# Altium PCB Ixora.PcbDoc (part 10 of 13)
Units mm, origin at the board's own origin, x right, y up, seen from the top; angles counter-clockwise.
Board outline 125 x 90 mm, 6 copper layers (Top Layer, GND, Mid-Layer 1, Mid-Layer 2, POWER, Bottom Layer), stack 1.561 mm thick; 454 components, 512 nets, 2071 pads, 863 vias.
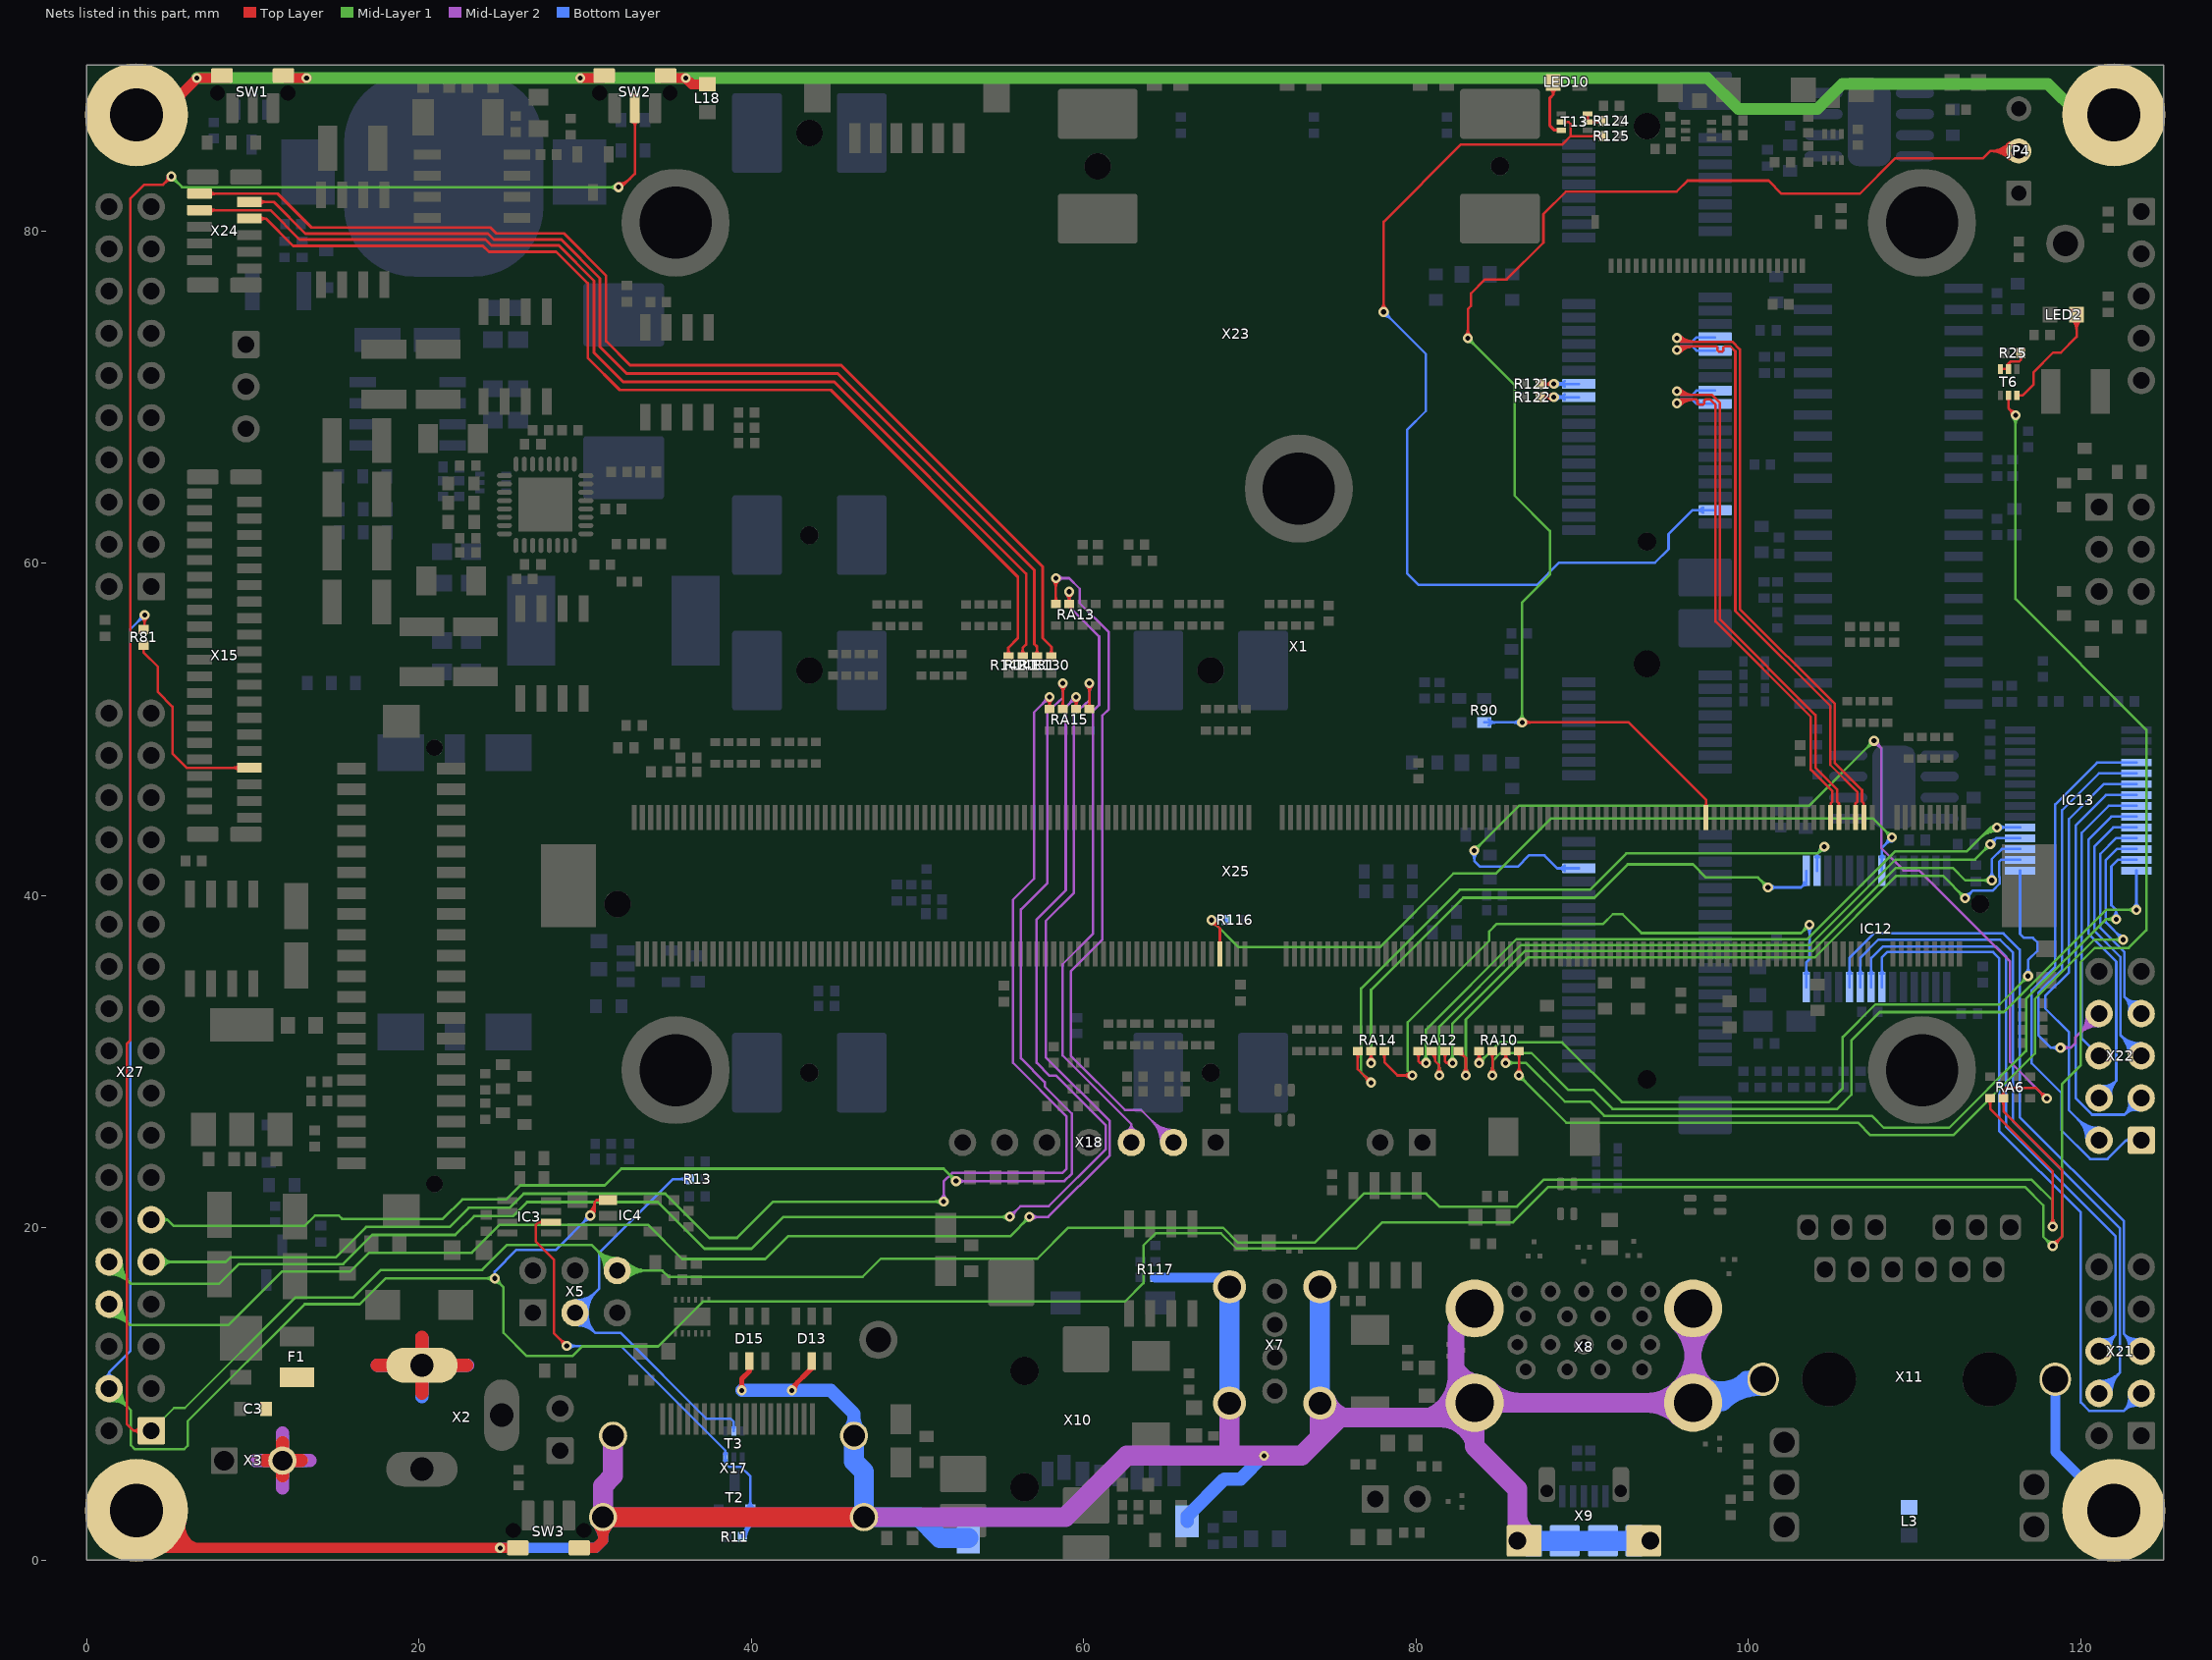
[diagram p14: the nets of this part, all layers, seen from the top]

## Via types
v1: diameter 0.6, hole 0.3, Top Layer to Bottom Layer, tented both sides, 852 vias
v2: diameter 0.6, hole 0.3, Top Layer to Bottom Layer, 11 vias

## Nets (pads, with @x,y where several pads share a name; then routed paths per layer and width w, separated by ;. In a path a pad name is that pad's centre, name@x,y a point inside that pad or via, vN(x,y) a via of type N, cw(c..) or ccw(c..) an arc to the next point about the centre after c; other vN are vias at no path point) (continued)
PWR_CTRL: R13.2 T3.2 X5.3 | length 38.5
  Bottom Layer w0.15: X5.3@29.4,15.35 ccw(c29.4,16.436) 30.168,15.668 ccw(c30.936,14.9) X5.3@29.85,14.9 ; X5.3@29.4,15.5 ccw(c29.4,16.949) 30.424,15.924 ccw(c31.449,14.9) X5.3@30,14.9 ; X5.3@29.4,15.65 ccw(c29.4,17.461) 30.68,16.18 ccw(c31.961,14.9) X5.3@30.15,14.9 ; X5.3@29.42,14.45 cw(c29.461,13.515) 30.123,14.177 cw(c30.785,14.839) X5.3@29.85,14.88 ; X5.3@29.426,14.301 cw(c29.481,13.053) 30.364,13.936 cw(c31.247,14.819) X5.3@29.999,14.874 ; X5.3@29.433,14.151 cw(c29.501,12.591) 30.605,13.695 cw(c31.709,14.799) X5.3@30.149,14.867 ; R13.2@36.111,22.789 ccw(c35.727,22.405) 35.727,22.948 ccw(c35.727,23.492) R13.2@36.111,23.108 ; R13.2@36.27,22.948 35.298,22.948 30.861,18.511 30.861,16.361 X5.3@29.4,14.9 30.605,13.695 32.127,13.695 37.287,8.534 38.76,8.534 38.95,8.345 T3.2@38.95,7.793 ; T3.2@38.897,7.981 ccw(c38.769,8.109) 38.95,8.109 ccw(c39.131,8.109) T3.2@39.003,7.981
PWR_EN#: IC3.6 R11.1 T2.1 T3.6 | length 34.9
  Top Layer w0.15: IC3.6@27.457,20.257 ccw(c27.243,20.043) 27.243,20.345 ccw(c27.243,20.647) IC3.6@27.457,20.433 ; IC3.6@27.955,20.345 27.203,20.345 27.051,20.193 27.051,19.178 28.143,18.086 28.143,13.657 v1(28.9,12.9) ; v1@28.675,12.9 ccw(c28.132,12.9) 28.516,13.284 ccw(c28.9,13.668) v1@28.9,13.125
  Bottom Layer w0.15: v1(28.9,12.9) 32.15,12.9 38.45,6.6 T3.6@38.45,6.213 38.45,5.853 38.675,5.628 39.372,5.628 39.95,5.05 T2.1@39.95,2.703 T2.1@39.95,2.078 ; v1@29.059,12.741 cw(c29.443,12.357) 29.443,12.9 cw(c29.443,13.443) v1@29.059,13.059 ; T3.6@38.397,6.025 cw(c38.269,5.896) 38.45,5.896 cw(c38.631,5.896) T3.6@38.503,6.025 ; T3.6@38.397,6.401 ccw(c38.269,6.529) 38.45,6.529 ccw(c38.631,6.529) T3.6@38.503,6.401 ; R11.1@39.48,1.403 R11.1@39.48,1.608 ; R11.1@39.54,1.429 cw(c40.09,1.44) 39.701,1.828 ; R11.1@39.69,1.432 cw(c40.578,1.449) T2.1@39.95,2.078 ; 39.697,1.825 ccw(c39.255,2.267) T2.1@39.876,2.343 ; T2.1@39.727,2.325 cw(c38.869,2.219) R11.1@39.48,1.608 ; T2.1@39.757,2.238 cw(c39.34,1.99) 39.76,1.748 ; T2.1@39.791,3.212 ccw(c39.407,3.596) 39.95,3.596 ccw(c40.493,3.596) T2.1@40.109,3.212 ; T2.1@39.886,2.314 cw(c39.593,2.14) 39.888,1.97 ; 39.914,2.042 ccw(c39.642,2.314) T2.1@40.024,2.362 ; R11.1@39.48,1.608 T2.1@39.95,2.078
PWR_IN: C3.2 F1.1 X2.1 X3.2 | length 41.8
  Top Layer w0.8: 10.77,6 X3.2@11.788,6 ; 11.788,5.105 X3.2@11.788,6 ; 11.788,7.087 X3.2@11.788,6 ; 12.929,6 X3.2@11.788,6 ; 17.51,11.74 X2.1@20.185,11.74 ; 20.185,10.05 X2.1@20.185,11.74 ; 20.185,13.43 X2.1@20.185,11.74 ; 22.86,11.74 X2.1@20.185,11.74
  Mid-Layer 2 w0.8: 10.134,6 X3.2@11.788,6 ; 11.788,4.346 X3.2@11.788,6 ; 11.788,7.654 X3.2@11.788,6 ; 13.442,6 X3.2@11.788,6 ; 17.501,11.74 X2.1@20.185,11.74 ; 20.185,10.086 X2.1@20.185,11.74 ; 20.185,13.394 X2.1@20.185,11.74 ; 22.936,11.74 X2.1@20.185,11.74
  Bottom Layer w0.8: 10.764,6 X3.2@11.788,6 ; 11.788,5.105 X3.2@11.788,6 ; 11.788,7.389 X3.2@11.788,6 ; 13.177,6 X3.2@11.788,6 ; 17.522,11.74 X2.1@20.185,11.74 ; 20.185,9.839 X2.1@20.185,11.74 ; 20.185,13.354 X2.1@20.185,11.74 ; 22.856,11.74 X2.1@20.185,11.74
RECOVERY_MODE#: JP4.2 R90.2 X1.63 | length 94.9
  Top Layer w0.15: v1@82.962,73.705 ccw(c82.578,74.089) 83.121,74.089 ccw(c83.665,74.089) v1@83.281,73.705 ; v1(83.121,73.546) 83.121,75.298 83.312,75.489 83.312,76.239 84.162,77.089 85.457,77.089 87.667,79.298 87.667,81.02 89.015,82.369 95.678,82.369 96.342,83.033 101.219,83.033 102.006,82.245 106.705,82.245 108.83,84.37 114.113,84.37 114.56,84.817 ; v1(86.385,50.425) 92.806,50.425 97.45,45.781 X1.63@97.45,44.7 ; v1@86.544,50.266 cw(c86.929,49.882) 86.929,50.425 cw(c86.929,50.968) v1@86.544,50.584 ; X1.63@97.397,45.404 ccw(c97.269,45.532) 97.45,45.532 ccw(c97.631,45.532) X1.63@97.503,45.404 ; 115.72,84.309 ccw(c114.56,83.241) 114.56,84.817 ; 115.72,85.325 cw(c114.56,86.393) 114.56,84.817 ; JP4.2@115.83,84.41 ccw(c114.903,83.556) 114.903,84.817 ccw(c114.903,86.078) JP4.2@115.83,85.224 ; JP4.2@115.94,84.512 ccw(c115.245,83.871) 115.245,84.817 ccw(c115.245,85.763) JP4.2@115.94,85.122 ; JP4.2@116.271,84.817 114.56,84.817
  Mid-Layer 1 w0.15: v1@83.121,73.321 cw(c83.121,72.777) 83.506,73.162 cw(c83.89,73.546) v1@83.347,73.546 ; v1(83.121,73.546) 85.928,70.739 85.928,64.084 88.062,61.951 88.062,59.326 86.385,57.65 v1(86.385,50.425) ; v1@86.226,50.584 ccw(c85.842,50.968) 86.385,50.968 ccw(c86.929,50.968) v1@86.544,50.584
  Bottom Layer w0.15: R90.2@84.104,50.425 v1(86.385,50.425) ; R90.2@84.381,50.248 cw(c84.808,49.821) 84.808,50.425 cw(c84.808,51.029) R90.2@84.381,50.602 ; v1@86.226,50.266 ccw(c85.842,49.882) 85.842,50.425 ccw(c85.842,50.968) v1@86.226,50.584
RESET_MICO#: RA6.8 SW2.2 X5.6 X27.1 | length 270.4
  Top Layer w0.15: X27.1@3.9,7.8 2.828,7.8 ; v1@4.881,83.274 cw(c4.432,83.249) 4.75,82.931 cw(c5.068,82.613) v1@5.093,83.062 ; v1(5.105,83.287) 4.613,82.795 3.474,82.795 2.63,81.95 2.63,31.29 2.425,31.085 2.425,8.203 2.828,7.8 ; v1@32.017,82.714 ccw(c32.017,83.324) 32.448,82.893 ; v1@32.017,82.864 ccw(c32.017,83.836) 32.704,83.149 ; v1@32.194,82.639 33,83.444 SW2.2@33,87.4 ; SW2.2@32.841,86.641 cw(c32.457,86.257) 33,86.257 cw(c33.543,86.257) SW2.2@33.159,86.641 ; RA6.8@114.428,27.677 cw(c114.129,27.378) 114.552,27.378 cw(c114.974,27.378) RA6.8@114.675,27.677 ; RA6.8@114.552,27.801 114.552,27.18 118.313,23.419 v1(118.313,20.091) ; v1@118.154,20.25 ccw(c117.77,20.635) 118.313,20.635 ccw(c118.856,20.635) v1@118.472,20.25 ; 2.828,7.8 ccw(c2.828,8.191) 3.195,8.057 cw(c2.828,8.191) 2.828,7.8 ; 2.828,7.8 cw(c2.828,7.409) 3.195,7.543 ccw(c2.828,7.409) 2.828,7.8 ; 3.042,7.8 ccw(c3.042,8.113) 3.336,8.006 cw(c3.042,8.113) 3.042,7.8 ; 3.042,7.8 cw(c3.042,7.487) 3.336,7.594 ccw(c3.042,7.487) 3.042,7.8
  Mid-Layer 1 w0.15: X27.1@3.9,7.8 5.269,9.169 5.918,9.169 12.573,15.824 16.053,15.824 17.712,17.484 23.808,17.484 25.314,18.989 30.391,18.989 X5.6@31.94,17.44 ; v1@5.105,83.062 cw(c5.105,82.518) 5.489,82.902 cw(c5.874,83.287) v1@5.33,83.287 ; v1(5.105,83.287) 5.753,82.639 v1(32.017,82.639) ; X5.6@31.19,17.44 ccw(c29.379,17.44) 30.66,18.72 ccw(c31.94,20.001) X5.6@31.94,18.19 ; X5.6@31.34,17.44 ccw(c29.891,17.44) 30.916,18.464 ccw(c31.94,19.489) X5.6@31.94,18.04 ; X5.6@31.49,17.44 ccw(c30.404,17.44) 31.172,18.208 ccw(c31.94,18.976) X5.6@31.94,17.89 ; v1@31.858,82.48 ccw(c31.474,82.096) 31.474,82.639 ccw(c31.474,83.182) v1@31.858,82.798 ; X5.6@31.94,16.873 X5.6@31.94,17.44 ; X5.6@32.258,17.122 cw(c33.026,16.354) 33.026,17.44 cw(c33.026,18.526) X5.6@32.258,17.758 ; X5.6@32.364,17.016 cw(c33.389,15.991) 33.389,17.44 cw(c33.389,18.889) X5.6@32.364,17.864 ; X5.6@32.47,16.91 cw(c33.751,15.629) 33.751,17.44 cw(c33.751,19.251) X5.6@32.47,17.97 ; v1@118.154,20.25 ccw(c117.77,20.635) 118.313,20.635 ccw(c118.856,20.635) v1@118.472,20.25 ; v1(118.313,20.091) 118.313,21.641 117.04,22.914 87.71,22.914 86.081,21.285 81.407,21.285 80.62,22.073 76.86,22.073 73.92,19.133 69.276,19.133 68.393,20.015 59.08,20.015 57.226,18.161 47.803,18.161 46.711,17.069 35.027,17.069 34.655,17.44 X5.6@31.94,17.44
RESET_MOCI: R25.1 T6.5 T6.6 | length 3.7
  Top Layer w0.15: T6.6@115.158,71.695 T6.5@115.658,71.695 115.658,72.031 115.782,72.155 ; T6.5@115.589,71.799 cw(c115.754,71.872) 115.627,72 ; T6.5@115.605,71.642 ccw(c115.477,71.514) 115.477,71.695 ccw(c115.477,71.876) T6.5@115.605,71.748 ; T6.5@115.605,71.883 ccw(c115.477,72.011) 115.658,72.011 ccw(c115.839,72.011) T6.5@115.711,71.883 ; T6.5@115.726,71.86 cw(c115.969,71.967) 115.782,72.155 ; R25.1@116.288,72.452 cw(c116.162,72.25) 116.4,72.25 ; R25.1@116.4,72.655 116.4,72.25 ; R25.1@116.512,72.452 ccw(c116.638,72.25) 116.4,72.25 ; 115.782,72.155 116.305,72.155 116.4,72.25
RESET_MOCI#: IC4.1 R81.1 RA6.7 T6.2 X25.22 X27.4 | length 353.1
  Top Layer w0.15: v1@3.341,56.741 cw(c2.957,56.357) 3.5,56.357 cw(c4.043,56.357) v1@3.659,56.741 ; R81.1@3.45,56.03 3.5,56.08 v1(3.5,56.9) ; v1@30.211,20.949 ccw(c29.897,21.55) 30.575,21.55 ; v1@30.281,20.816 ccw(c30.027,21.302) 30.575,21.302 ; v1(30.315,20.75) 30.575,21.01 ; v1@30.35,20.684 ccw(c30.156,21.055) 30.575,21.055 ; v1@30.385,20.964 ccw(c30.443,21.142) 30.575,21.01 ; v1@30.529,20.82 cw(c30.707,20.877) 30.575,21.01 ; IC4.1@30.935,21.568 ccw(c30.714,21.426) 30.714,21.689 ; IC4.1@30.935,21.81 cw(c30.714,21.952) 30.714,21.689 ; IC4.1@31.375,21.689 30.714,21.689 ; RA6.7@115.228,27.677 cw(c114.929,27.378) 115.352,27.378 cw(c115.774,27.378) RA6.7@115.475,27.677 ; RA6.7@115.228,27.925 ccw(c114.929,28.223) 115.352,28.223 ccw(c115.774,28.223) RA6.7@115.475,27.925 ; T6.2@115.605,69.927 cw(c115.477,69.799) 115.658,69.799 cw(c115.839,69.799) T6.2@115.711,69.927 ; T6.2@115.658,70.115 115.658,69.33 v1(116.078,68.91) ; v1@115.853,68.91 ccw(c115.31,68.91) 115.694,69.294 ccw(c116.078,69.678) v1@116.078,69.135 ; v1@117.733,27.788 ccw(c117.189,27.788) 117.573,28.172 ccw(c117.958,28.556) v1@117.958,28.013 ; v1(117.958,27.788) 117.323,28.423 115.519,28.423 115.352,28.255 RA6.7@115.352,27.801 115.352,27.03 118.872,23.51 118.872,19.477 v1(118.313,18.918) ; v1@118.313,19.143 ccw(c118.313,19.687) 118.697,19.303 ccw(c119.081,18.918) v1@118.538,18.918 ; 30.575,21.01 30.575,21.55 30.714,21.689
  Mid-Layer 2 w0.15: v1@107.562,49.094 cw(c107.562,48.551) 107.946,48.935 cw(c108.33,49.319) v1@107.787,49.319 ; v1(107.562,49.319) 108.001,48.88 108.001,42.875 109.347,41.529 110.261,41.529 115.748,36.043 115.748,29.997 v1(117.958,27.788) ; v1@117.733,27.788 ccw(c117.189,27.788) 117.573,28.172 ccw(c117.958,28.556) v1@117.958,28.013
  Mid-Layer 1 w0.15: X27.4@1.36,10.34 2.667,9.033 2.667,6.933 2.9,6.7 5.887,6.7 6.096,6.909 6.096,8.382 13.132,15.418 16.445,15.418 17.994,16.967 v1(24.562,16.967) 25.095,16.434 25.095,13.691 26.492,12.294 29.241,12.294 29.825,12.878 34.397,12.878 37.089,15.57 62.484,15.57 63.602,16.688 63.602,18.948 64.338,19.685 68.275,19.685 69.19,18.771 76.403,18.771 77.978,20.345 85.848,20.345 87.971,22.468 116.648,22.468 117.754,21.361 117.754,19.477 v1(118.313,18.918) 118.872,19.477 118.872,28.659 119.99,29.777 119.99,35.992 120.853,36.855 122.885,36.855 123.952,37.922 123.952,49.987 116.078,57.861 v1(116.078,68.91) ; X27.4@1.398,9.892 cw(c1.468,9.08) 2.044,9.656 cw(c2.62,10.232) X27.4@1.808,10.302 ; X27.4@1.411,9.742 cw(c1.504,8.66) 2.272,9.428 cw(c3.04,10.196) X27.4@1.958,10.289 ; X27.4@1.424,9.593 cw(c1.54,8.24) 2.5,9.2 cw(c3.46,10.16) X27.4@2.107,10.276 ; v1@24.403,16.808 ccw(c24.019,16.424) 24.019,16.967 ccw(c24.019,17.51) v1@24.403,17.126 ; v1@24.562,16.742 cw(c24.562,16.199) 24.946,16.583 cw(c25.33,16.967) v1@24.787,16.967 ; v1(83.509,42.719) 86.214,45.425 103.668,45.425 v1(107.562,49.319) ; v1@83.509,42.944 ccw(c83.509,43.488) 83.893,43.103 ccw(c84.277,42.719) v1@83.734,42.719 ; v1@107.337,49.319 cw(c106.794,49.319) 107.178,48.935 cw(c107.562,48.551) v1@107.562,49.094 ; v1@115.919,68.751 cw(c115.535,68.367) 116.078,68.367 cw(c116.621,68.367) v1@116.237,68.751 ; v1@118.088,18.918 ccw(c117.545,18.918) 117.929,19.302 ccw(c118.313,19.687) 118.313,19.143 ccw(c118.313,19.687) 118.697,19.303 ccw(c119.081,18.918) v1@118.538,18.918
  Bottom Layer w0.15: X27.4@1.169,11.065 ccw(c1.104,11.313) 1.36,11.313 ; X27.4@1.36,10.34 1.36,11.313 ; X27.4@1.551,11.065 cw(c1.616,11.313) 1.36,11.313 ; v1@3.275,56.9 cw(c2.732,56.9) 3.116,56.516 cw(c3.5,56.132) v1@3.5,56.675 ; v1(3.5,56.9) 2.65,56.05 2.65,12.603 1.36,11.313 ; v1@24.562,16.84 v1(24.562,16.967) 24.562,17.374 25.883,18.694 28.26,18.694 v1(30.315,20.75) ; v1@30.09,20.75 cw(c29.547,20.75) 29.931,20.366 cw(c30.315,19.982) v1@30.315,20.525 ; v1@83.35,42.56 cw(c82.966,42.176) 83.509,42.176 cw(c84.052,42.176) v1@83.668,42.56 ; v1(83.509,42.719) 83.509,42.094 83.853,41.75 86.12,41.75 86.79,42.421 87.732,42.421 88.502,41.65 X25.22@89.8,41.65 ; X25.22@88.941,41.491 ccw(c88.557,41.107) 88.557,41.65 ccw(c88.557,42.193) X25.22@88.941,41.809
RESET_MOCI_EDT#: R81.2 X15.7 | length 13.1
  Top Layer w0.15: R81.2@3.45,55.07 3.45,54.625 4.3,53.775 4.3,52.255 5.175,51.38 5.175,48.549 6.024,47.7 X15.7@9.8,47.7 ; X15.7@9.191,47.541 ccw(c8.807,47.157) 8.807,47.7 ccw(c8.807,48.243) X15.7@9.191,47.859
RESET_MOCI_LED: LED2.1 T6.3 | length 9.4
  Top Layer w0.15: T6.3@116.158,70.115 116.521,70.115 117.17,70.764 117.17,71.51 118.339,72.679 118.804,72.679 119.754,73.629 LED2.1@119.754,74.958 ; T6.3@116.211,70.062 cw(c116.339,69.934) 116.339,70.115 cw(c116.339,70.296) T6.3@116.211,70.168 ; LED2.1@119.489,74.668 cw(c118.848,74.027) 119.754,74.027 cw(c120.659,74.027) LED2.1@120.019,74.668 ; LED2.1@119.595,74.774 cw(c119.21,74.39) 119.754,74.39 cw(c120.297,74.39) LED2.1@119.913,74.774
SATA1_MSATA_ACT: R124.2 T13.2 T13.3 | length 3
  Top Layer w0.165: T13.2@90.277,86.611 ccw(c90.162,86.726) 90.325,86.726 ccw(c90.488,86.726) T13.2@90.373,86.611 ; T13.3@90.277,87.015 cw(c90.162,86.9) 90.325,86.9 cw(c90.488,86.9) T13.3@90.373,87.015 ; T13.3@90.325,87.063 T13.2@90.325,86.563 91.239,86.563 R124.2@91.29,86.614 ; T13.2@90.508,86.515 cw(c90.623,86.4) 90.623,86.563 cw(c90.623,86.726) T13.2@90.508,86.611 ; 90.739,86.563 ccw(c90.739,87.14) R124.2@91.147,86.732 ; 90.864,86.563 cw(c90.864,86.162) R124.2@91.147,86.446
SATA1_MSATA_ACT#: R125.1 T13.5 X23.49 | length 64.3
  Top Layer w0.15: v1@77.895,75.292 ccw(c77.511,75.676) 78.054,75.676 ccw(c78.597,75.676) v1@78.213,75.292 ; v1(78.054,75.133) 78.054,80.563 82.709,85.217 88.81,85.217 89.306,85.713 ; T13.5@88.745,86.563 89.179,86.563 89.306,86.436 89.306,85.713 ; T13.5@88.933,86.51 cw(c89.061,86.382) 89.061,86.563 cw(c89.061,86.744) T13.5@88.933,86.616 ; R125.1@91.142,85.551 ccw(c90.783,85.193) 90.783,85.7 ccw(c90.783,86.207) R125.1@91.142,85.848 ; R125.1@91.29,85.7 89.32,85.7 89.306,85.713
  Bottom Layer w0.15: v1@78.054,74.908 cw(c78.054,74.365) 78.438,74.749 cw(c78.822,75.133) v1@78.279,75.133 ; v1(78.054,75.133) 80.594,72.593 80.594,69.164 79.465,68.035 79.465,59.396 80.162,58.699 87.274,58.699 88.621,60.046 94.386,60.046 95.199,60.858 95.199,61.761 96.638,63.2 X23.49@98,63.2 ; X23.49@97.268,63.041 ccw(c96.884,62.657) 96.884,63.2 ccw(c96.884,63.743) X23.49@97.268,63.359
SATA1_MSATA_ACT_LED: LED10.1 T13.6 | length 4.4
  Top Layer w0.18: LED10.1@88.047,88.606 cw(c87.763,88.204) 88.255,88.204 ; LED10.1@88.255,88.95 88.255,88.204 ; LED10.1@88.463,88.606 ccw(c88.747,88.204) 88.255,88.204 ; T13.6@88.745,86.063 88.328,86.063 88.062,86.329 88.062,88.011 88.255,88.204
SATA1_MSATA_SCL: R121.2 X23.30 | length 6.7
  Top Layer w0.15: R121.2@87.472,70.8 v1(88.3,70.8) ; R121.2@87.62,70.651 cw(c87.979,70.293) 87.979,70.8 cw(c87.979,71.307) R121.2@87.62,70.948 ; v1@88.141,70.641 ccw(c87.757,70.257) 87.757,70.8 ccw(c87.757,71.343) v1@88.141,70.959
  Bottom Layer w0.15: v1(88.3,70.8) X23.30@89.8,70.8 ; v1@88.459,70.641 cw(c88.843,70.257) 88.843,70.8 cw(c88.843,71.343) v1@88.459,70.959 ; 88.683,70.757 cw(c88.738,70.549) X23.30@88.915,70.672 ; 88.683,70.843 ccw(c88.738,71.05) X23.30@88.915,70.928 ; 88.713,70.765 ccw(c88.631,71.071) X23.30@88.905,70.913 ; 88.713,70.835 cw(c88.631,70.529) X23.30@88.905,70.688 ; X23.30@88.941,70.641 ccw(c88.557,70.257) 88.557,70.8 ccw(c88.557,71.343) X23.30@88.941,70.959
SATA1_MSATA_SDA: R122.2 X23.32 | length 6.7
  Top Layer w0.15: R122.2@87.472,70 v1(88.3,70) ; R122.2@87.62,69.851 cw(c87.979,69.493) 87.979,70 cw(c87.979,70.507) R122.2@87.62,70.148 ; v1@88.141,69.841 ccw(c87.757,69.457) 87.757,70 ccw(c87.757,70.543) v1@88.141,70.159
  Bottom Layer w0.15: v1(88.3,70) X23.32@89.8,70 ; v1@88.459,69.841 cw(c88.843,69.457) 88.843,70 cw(c88.843,70.543) v1@88.459,70.159 ; 88.683,69.957 cw(c88.738,69.749) X23.32@88.915,69.872 ; 88.683,70.043 ccw(c88.738,70.251) X23.32@88.915,70.128 ; 88.713,69.965 ccw(c88.631,70.271) X23.32@88.905,70.112 ; 88.713,70.035 cw(c88.631,69.729) X23.32@88.905,69.888 ; X23.32@88.941,69.841 ccw(c88.557,69.457) 88.557,70 ccw(c88.557,70.543) X23.32@88.941,70.159
SATA1_RX_N: X1.27 X23.25 | length 42.3
  Top Layer w0.15: v1@95.647,72.891 cw(c96.062,72.475) 96.062,73.063 ; v1(95.7,72.838) 95.925,73.063 ; v1@95.753,72.784 cw(c96.424,72.113) 96.424,73.063 ; v1@95.797,73.041 ccw(c95.845,73.142) 95.925,73.062 ; v1@95.859,72.678 cw(c96.786,71.751) 96.786,73.063 ; v1@95.903,72.934 cw(c96.005,72.983) 95.925,73.062 ; X1.27@106.45,44.7 106.45,45.561 106.562,45.673 106.562,46.236 104.932,47.867 104.932,51.423 99.217,57.138 99.217,72.759 98.913,73.063 98.571,73.063 98.501,72.993 98.501,72.823 98.431,72.753 98.221,72.753 98.151,72.823 98.151,72.993 98.081,73.063 95.925,73.063
  Bottom Layer w0.15: v1@95.641,72.883 cw(c96.005,72.603) 96.005,73.063 ; v1(95.7,72.838) 95.925,73.063 96.615,73.063 ; v1@95.759,72.792 cw(c96.31,72.368) 96.31,73.063 ; v1@95.878,72.7 cw(c96.615,72.133) 96.615,73.063 ; X23.25@98,72.8 96.877,72.8 96.615,73.063
SATA1_RX_P: X1.25 X23.23 | length 42.3
  Top Layer w0.15: v1@95.647,73.509 ccw(c96.062,73.925) 96.062,73.338 ; v1(95.7,73.563) 95.925,73.338 ; v1@95.753,73.616 ccw(c96.424,74.287) 96.424,73.338 ; v1@95.797,73.359 cw(c95.845,73.258) 95.925,73.338 ; v1@95.859,73.722 ccw(c96.786,74.649) 96.786,73.338 ; v1@95.903,73.466 ccw(c96.005,73.417) 95.925,73.338 ; X1.25@106.95,44.7 106.95,45.561 106.837,45.673 106.837,46.35 105.207,47.981 105.207,51.537 99.492,57.252 99.492,72.873 99.027,73.338 97.155,73.338 95.925,73.338
  Bottom Layer w0.15: v1@95.641,73.517 ccw(c96.005,73.797) 96.005,73.338 ; v1(95.7,73.563) 95.925,73.338 96.615,73.338 ; v1@95.759,73.608 ccw(c96.31,74.032) 96.31,73.338 ; v1@95.878,73.7 ccw(c96.615,74.267) 96.615,73.338 ; X23.23@98,73.6 96.877,73.6 96.615,73.338
SATA1_TX_N: X1.31 X23.31 | length 37.7
  Top Layer w0.15: v1@95.647,70.309 ccw(c96.062,70.725) 96.062,70.138 ; v1(95.7,70.363) 95.925,70.138 ; v1@95.753,70.416 ccw(c96.424,71.087) 96.424,70.138 ; v1@95.797,70.159 cw(c95.845,70.058) 95.925,70.138 ; v1@95.859,70.522 ccw(c96.786,71.449) 96.786,70.138 ; v1@95.903,70.266 ccw(c96.005,70.217) 95.925,70.138 ; X1.31@105.45,44.7 105.45,45.561 105.337,45.673 105.337,46.402 104.038,47.701 104.038,50.876 98.298,56.617 98.298,69.659 97.819,70.138 95.925,70.138
  Bottom Layer w0.15: v1@95.641,70.317 ccw(c96.005,70.597) 96.005,70.138 ; v1(95.7,70.363) 95.925,70.138 96.615,70.138 ; v1@95.759,70.408 ccw(c96.31,70.832) 96.31,70.138 ; v1@95.878,70.5 ccw(c96.615,71.067) 96.615,70.138 ; X23.31@98,70.4 96.877,70.4 96.615,70.138
SATA1_TX_P: X1.33 X23.33 | length 37.7
  Top Layer w0.15: v1@95.647,69.691 cw(c96.062,69.275) 96.062,69.863 ; v1(95.7,69.638) 95.925,69.863 ; v1@95.753,69.584 cw(c96.424,68.913) 96.424,69.863 ; v1@95.797,69.841 ccw(c95.845,69.942) 95.925,69.863 ; v1@95.859,69.478 cw(c96.786,68.551) 96.786,69.863 ; v1@95.903,69.734 cw(c96.005,69.783) 95.925,69.863 ; X1.33@104.95,44.7 104.95,45.561 105.062,45.673 105.062,46.288 103.763,47.587 103.763,50.762 98.023,56.503 98.023,69.545 97.706,69.863 97.428,69.863 97.347,69.782 97.347,69.621 97.267,69.54 97.024,69.54 96.943,69.621 96.943,69.782 96.863,69.863 95.925,69.863
  Bottom Layer w0.15: v1@95.641,69.683 cw(c96.005,69.403) 96.005,69.863 ; v1(95.7,69.638) 95.925,69.863 96.615,69.863 ; v1@95.759,69.592 cw(c96.31,69.168) 96.31,69.863 ; v1@95.878,69.5 cw(c96.615,68.933) 96.615,69.863 ; X23.33@98,69.6 96.877,69.6 96.615,69.863
SHIELD1: D13.2 D15.2 L3.2 pad.M3@3,3 pad.M3@122,3 R117.2 SW3.SH1 SW3.SH2 X7.S1 X7.S2 X7.S3 X7.S4 X8.S1 X8.S2 X8.S3 X8.S4 X9.S1 X9.S2 X9.S3 X9.S4 X10.S1 X10.S2 X11.S1 X11.S2 X17.S1 X17.S2 X17.S3 X17.S4 | length 272
  Top Layer w0.3: v1@39.327,10.337 ccw(c39.071,10.593) 39.433,10.593 ccw(c39.795,10.593) v1@39.539,10.337 ; v1(39.433,10.231) 39.433,10.924 39.898,11.389 D15.2@39.898,12 ; v1(42.45,10.231) 42.45,10.375 43.648,11.573 D13.2@43.648,12 ; v1@42.6,10.231 cw(c43.31,10.231) 42.808,10.733
  Top Layer w0.6: pad.M3@3,3 5.25,0.75 ; pad.M3@4.182,0.75 5.25,0.75 ; pad.M3@5.055,1.727 ccw(c6.102,1.797) 6.032,0.75 ; pad.M3@5.69,2.261 ccw(c6.998,2.019) 6.6,0.75 ; SW3.SH1@25.953,0.75 v1(24.885,0.75) 6.6,0.75 ; SW3.SH2@29.653,0.75 30.633,0.75 31.083,1.2 X17.S1@31.083,2.6 ; X17.S1@30.694,2.211 cw(c29.755,1.272) 31.083,1.272 cw(c32.411,1.272) X17.S1@31.472,2.211 ; 5.25,0.75 6.032,0.75 ; 6.032,0.75 6.6,0.75
  Top Layer w1.2: X17.S1@31.083,2.6 X17.S2@46.783,2.6
  Mid-Layer 2 w0.6: 68.75,6.3 68.78,6.33
  Mid-Layer 2 w1: X7.S1@74.649,9.702 ccw(c76.34,10.376) 75.943,8.6 ; 80.587,8.6 ccw(c79.794,11.087) 82.4,10.933 ; 81.458,8.497 cw(c81.446,6.349) 83.53,6.87 ; 82.423,11.582 ccw(c83.934,12.408) X8.S1@83.773,10.693 ; X8.S1@83.53,9.48 82.4,10.61 82.4,10.933 ; X8.S2@83.53,15.16 82.4,14.03 82.4,11.241 ; X8.S4@95.786,10.364 ccw(c93.652,12.498) 96.67,12.498 ccw(c99.688,12.498) X8.S4@97.554,10.364 ; X8.S3@95.786,14.276 cw(c93.652,12.142) 96.67,12.142 cw(c99.688,12.142) X8.S3@97.554,14.276 ; X8.S4@96.67,9.48 X8.S3@96.67,15.16 ; 82.4,10.933 ccw(c79.794,11.087) 82.4,11.241 ; 82.4,10.933 82.4,11.241